# Altium PCB BLDC-sensorless-prototip-1.PcbDoc
Units mm, origin at the board's own origin, x right, y up, seen from the top; angles counter-clockwise.
Board outline 95 x 95 mm, 2 copper layers (Top Layer, Bottom Layer); 82 components, 33 nets, 204 pads, 272 vias.
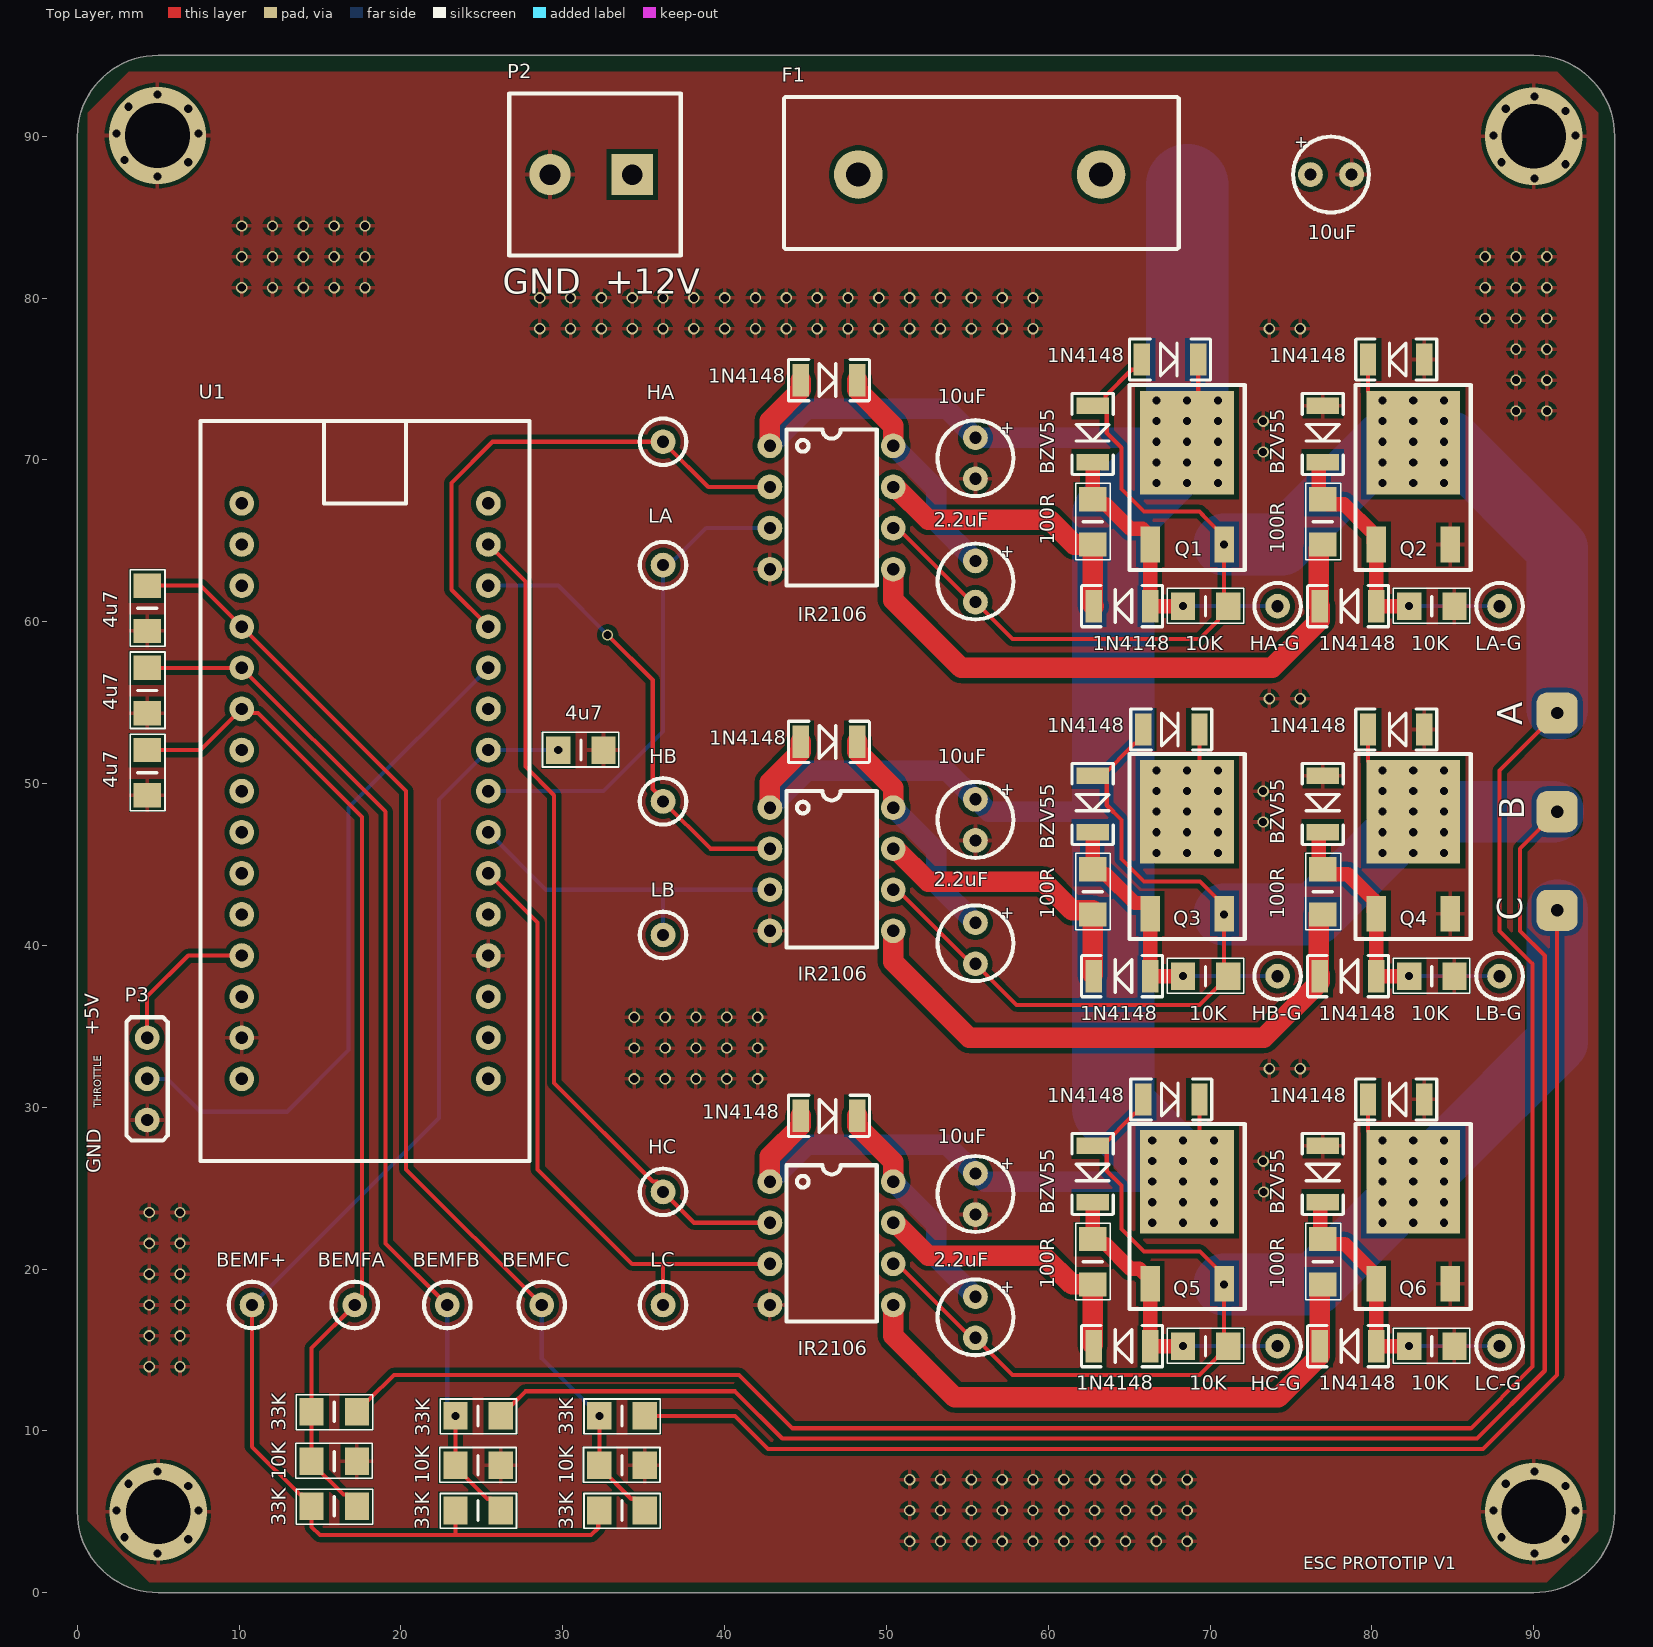
[diagram p0: Top Layer view]
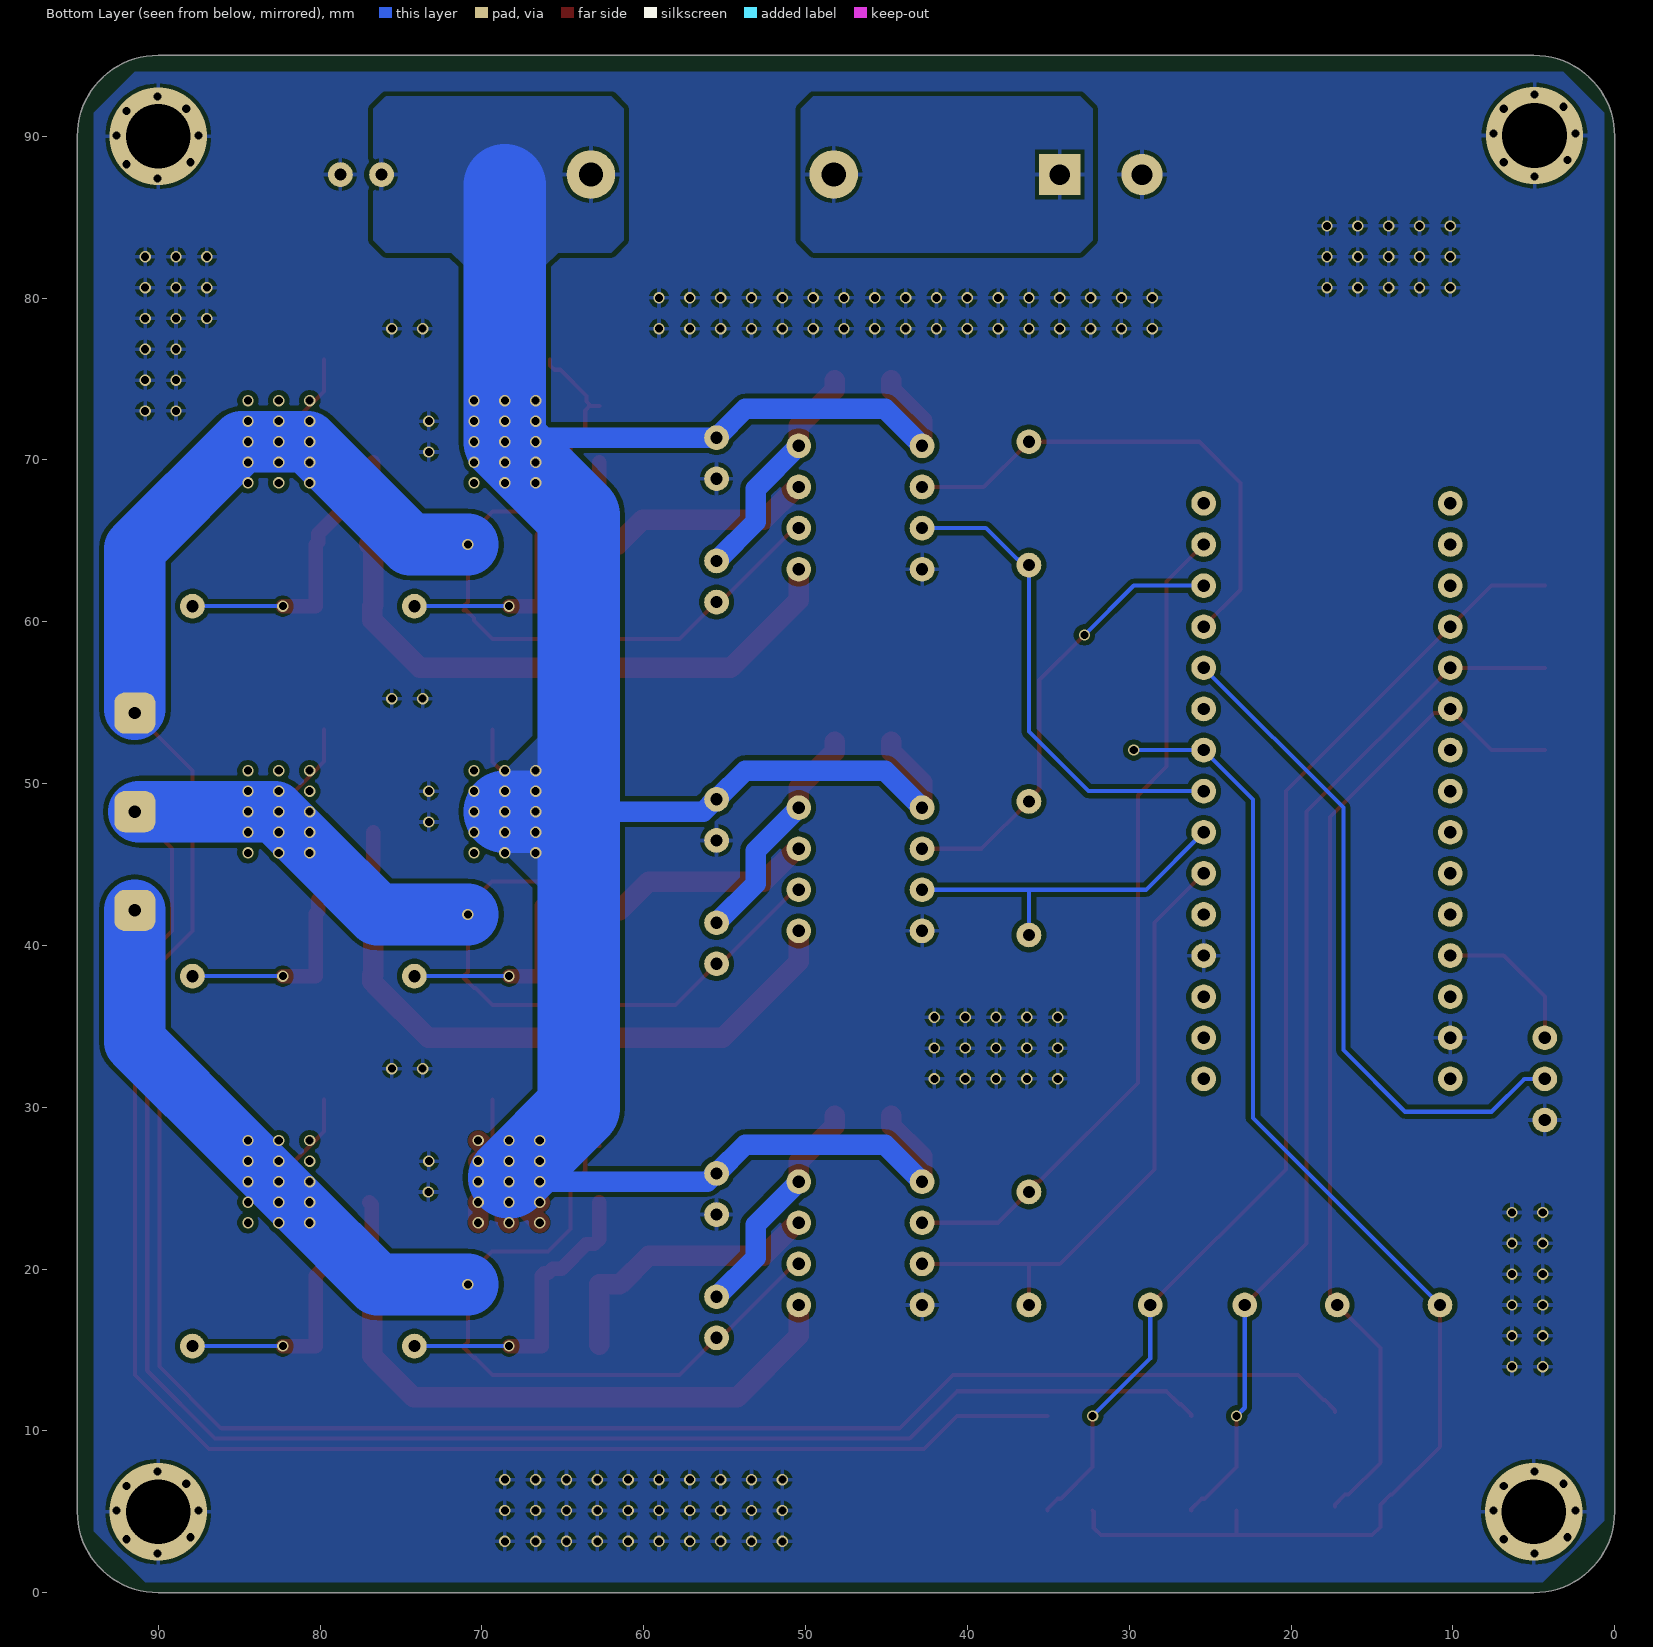
[diagram p1: Bottom Layer view, seen from below]
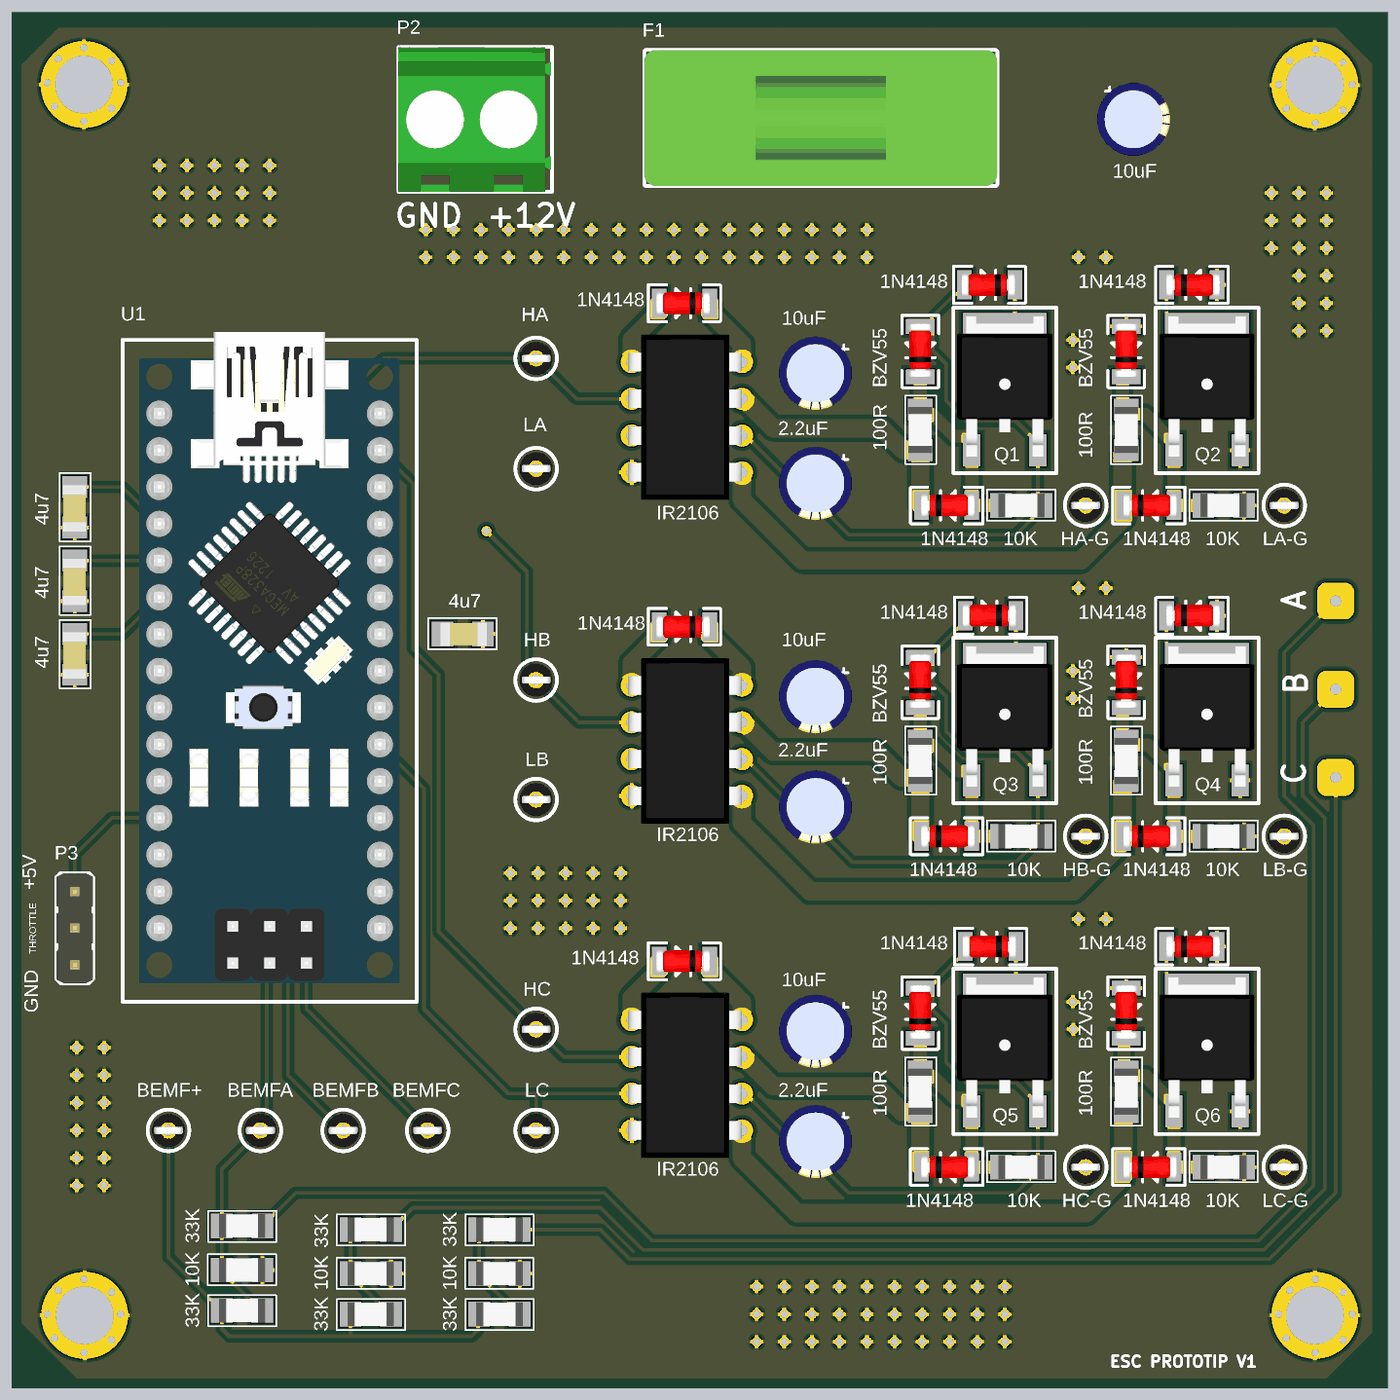
[diagram p2: 3D render of the assembled board from above, using the file's embedded part models]

## Layer stack, top to bottom
Top Solder: solder mask 0.0102, Solder Resist, Dk 3.5
Top Layer: signal copper 0.0356
Dielectric 1: dielectric 0.32, FR-4, Dk 4.8
Bottom Layer: signal copper 0.0356
Bottom Solder: solder mask 0.0102, Solder Resist, Dk 3.5

## Board outline
5,0 cw(c5,5) 0,5 0,90 cw(c5,90) 5,95 90,95 cw(c90,90) 95,90 95,5 cw(c90,5) 90,0

## Design rules (kind name [scope] priority, off if disabled: settings)
Clearance [All] p1: gap=0.3 ignorepadtopadclearanceinfootprint=TRUE
PolygonConnect [All] p1: connectstyle=Relief reliefconductorwidth=0.254 reliefentries=4 polygonreliefangle="90 Angle" airgapwidth=0.254
RoutingVias [All] p1: holewidth=0.711 width=1.27 viastyle="Through Hole" minholewidth=0.2 minwidth=0.4 maxholewidth=4 maxwidth=5
SolderMaskExpansion [All] p1: expansion=0.102 istentingtop=FALSE
Width [All] p1: maxlimit=5.08 minlimit=0.254 preferedwidth=1.27 minimp=50.000000 maximp=50.000000 favimp=50.000000
30 further rules are at their usual default settings.

## Classes and differential pairs
component class BLDC-sensorless-prototip-1: 1N4148 1n4148 2.2uF 2.2Uf 4u7 4U7 10K 10uF 33K 100R BEMF+ BEMFA BEMFB BEMFC BZV55 F1 HA ha HA-G HB HB-G HC HC-G IR2106 LA LA-G LB LB-G LC LC-G P2 P3 Q1 Q2 Q3 Q4 Q5 Q6 U1

## Components (designator, comment, footprint, x,y, rotation, side; value= is the part's Value field where it differs from the comment)
1N4148 "1N4148" "DO-213-minielf (SOD80)" 83.238,30.48 r90 top (schematic designator D15)
1N4148 "1N4148" "DO-213-minielf (SOD80)" 65.86,30.48 r270 top (schematic designator D13)
1N4148 "1N4148" "DO-213-minielf (SOD80)" 83.238,53.34 r90 top (schematic designator D10)
1N4148 "1N4148" "DO-213-minielf (SOD80)" 65.86,53.34 r270 top (schematic designator D8)
1N4148 "1N4148" "DO-213-minielf (SOD80)" 83.238,76.2 r90 top (schematic designator D5)
1N4148 "1N4148" "DO-213-minielf (SOD80)" 65.786,76.2 r270 top (schematic designator D3)
1N4148 "1N4148" "DO-213-minielf (SOD80)" 80.264,15.24 r90 top (schematic designator D14)
1N4148 "1N4148" "DO-213-minielf (SOD80)" 44.704,29.464 r270 top (schematic designator D12)
1N4148 "1N4148" "DO-213-minielf (SOD80)" 66.294,15.24 r90 top (schematic designator D11)
1N4148 "1N4148" "DO-213-minielf (SOD80)" 80.264,38.1 r90 top (schematic designator D9)
1N4148 "1N4148" "DO-213-minielf (SOD80)" 44.704,52.578 r270 top (schematic designator D7)
1N4148 "1N4148" "DO-213-minielf (SOD80)" 66.294,38.1 r90 top (schematic designator D6)
1N4148 "1N4148" "DO-213-minielf (SOD80)" 80.264,60.96 r90 top (schematic designator D4)
1N4148 "1N4148" "DO-213-minielf (SOD80)" 44.704,74.93 r270 top (schematic designator D2)
1N4148 "1N4148" "DO-213-minielf (SOD80)" 66.294,60.96 r90 top (schematic designator D1)
2.2uF "Cap" CAP-ELEC-2.54MM 55.499,18.288 r270 top value=10uF (schematic designator C15)
2.2uF "Cap" CAP-ELEC-2.54MM 55.499,41.402 r270 top value=10uF (schematic designator C13)
2.2uF "Cap" CAP-ELEC-2.54MM 55.499,63.754 r270 top value=10uF (schematic designator C11)
4u7 "Cap" CAP-1206 32.452,52.141 r180 top value=4.7uF (schematic designator C4)
4u7 "Cap" CAP-1206 4.389,49.336 r90 top value=4.7uF (schematic designator C3)
4u7 "Cap" CAP-1206 4.389,54.416 r90 top value=4.7uF (schematic designator C2)
4u7 "Cap" CAP-1206 4.389,59.496 r90 top value=4.7uF (schematic designator C1)
10K "Res2" RES-1206 86.046,15.565 r180 top value=10K (schematic designator R21)
10K "Res2" RES-1206 72.07,15.565 r180 top value=10K (schematic designator R19)
10K "Res2" RES-1206 86.046,38.425 r180 top value=10K (schematic designator R17)
10K "Res2" RES-1206 72.07,38.425 r180 top value=10K (schematic designator R15)
10K "Res2" RES-1206 86.046,61.285 r180 top value=10K (schematic designator R13)
10K "Res2" RES-1206 72.07,61.285 r180 top value=10K (schematic designator R11)
10K "Res2" RES-1206 36.008,8.199 r180 top value=10K (schematic designator R6)
10K "Res2" RES-1206 27.118,8.199 r180 top value=10K (schematic designator R5)
10K "Res2" RES-1206 18.228,8.453 r180 top value=10K (schematic designator R4)
10uF "Cap" CAP-ELEC-2.54MM 76.2,87.63 r0 top value=10uF (schematic designator C18)
10uF "Cap" CAP-ELEC-2.54MM 55.499,25.908 r270 top value=2.2uF (schematic designator C16)
10uF "Cap" CAP-ELEC-2.54MM 55.499,49.022 r270 top value=2.2uF (schematic designator C14)
10uF "Cap" CAP-ELEC-2.54MM 55.499,71.374 r270 top value=2.2uF (schematic designator C12)
33K "Res2" RES-1206 31.308,4.755 r0 top value=33K (schematic designator R9)
33K "Res2" RES-1206 22.418,4.755 r0 top value=33K (schematic designator R8)
33K "Res2" RES-1206 13.528,5.009 r0 top value=33K (schematic designator R7)
33K "Res2" RES-1206 31.308,10.597 r0 top value=33K (schematic designator R3)
33K "Res2" RES-1206 22.418,10.597 r0 top value=33K (schematic designator R2)
33K "Res2" RES-1206 13.528,10.851 r0 top value=33K (schematic designator R1)
100R "Res2" RES-1206 77.287,18.1 r90 top value=100R (schematic designator R20)
100R "Res2" RES-1206 63.063,18.1 r90 top value=100R (schematic designator R18)
100R "Res2" RES-1206 77.287,40.96 r90 top value=100R (schematic designator R16)
100R "Res2" RES-1206 63.063,40.96 r90 top value=100R (schematic designator R14)
100R "Res2" RES-1206 77.287,63.82 r90 top value=100R (schematic designator R12)
100R "Res2" RES-1206 63.063,63.82 r90 top value=100R (schematic designator R10)
BEMF+ "TEST POINT" "Test Point" 10.795,17.78 r90 top (schematic designator TP7)
BEMFA "TEST POINT" "Test Point" 17.145,17.78 r90 top (schematic designator TP14)
BEMFB "TEST POINT" "Test Point" 22.86,17.78 r90 top (schematic designator TP15)
BEMFC "TEST POINT" "Test Point" 28.702,17.78 r90 top (schematic designator TP16)
BZV55 "BZV55C15" "DO-213-minielf (SOD80)" 76.962,27.612 r180 top (schematic designator D21)
BZV55 "BZV55C15" "DO-213-minielf (SOD80)" 62.738,27.612 r180 top (schematic designator D20)
BZV55 "BZV55C15" "DO-213-minielf (SOD80)" 76.962,50.472 r180 top (schematic designator D19)
BZV55 "BZV55C15" "DO-213-minielf (SOD80)" 62.738,50.472 r180 top (schematic designator D18)
BZV55 "BZV55C15" "DO-213-minielf (SOD80)" 76.962,73.332 r180 top (schematic designator D17)
BZV55 "BZV55C15" "DO-213-minielf (SOD80)" 62.738,73.332 r180 top (schematic designator D16)
F1 "Fuse 1" "FUSE HOLDER" 48.26,87.63 r0 top
HA "TEST POINT" "Test Point" 36.195,71.12 r90 top (schematic designator TP8)
HA-G "TEST POINT" "Test Point" 74.168,60.96 r90 top (schematic designator TP1)
HB "TEST POINT" "Test Point" 36.195,48.895 r90 top (schematic designator TP9)
HB-G "TEST POINT" "Test Point" 74.168,38.1 r90 top (schematic designator TP3)
HC "TEST POINT" "Test Point" 36.195,24.765 r90 top (schematic designator TP10)
HC-G "TEST POINT" "Test Point" 74.168,15.24 r90 top (schematic designator TP5)
IR2106 "IR2106" DIP-8 42.799,17.78 r0 top (schematic designator U4)
IR2106 "IR2106" DIP-8 42.799,40.894 r0 top (schematic designator U3)
IR2106 "IR2106" DIP-8 42.799,63.246 r0 top (schematic designator U2)
LA "TEST POINT" "Test Point" 36.195,63.5 r90 top (schematic designator TP11)
LA-G "TEST POINT" "Test Point" 87.884,60.96 r90 top (schematic designator TP2)
LB "TEST POINT" "Test Point" 36.195,40.64 r90 top (schematic designator TP12)
LB-G "TEST POINT" "Test Point" 87.884,38.1 r90 top (schematic designator TP4)
LC "TEST POINT" "Test Point" 36.195,17.78 r90 top (schematic designator TP13)
LC-G "TEST POINT" "Test Point" 87.884,15.24 r90 top (schematic designator TP6)
P2 "Header 2" "5.08MM KLEMENS X2" 34.29,87.63 r180 top
P3 "Header 3" "2.54MM ERKEK HEADER X3" 4.318,29.21 r90 top
Q1 "N-MOS" TO-252-3 68.58,69.8 r0 top
Q2 "N-MOS" TO-252-3 82.55,69.8 r0 top
Q3 "N-MOS" TO-252-3 68.58,46.99 r0 top
Q4 "N-MOS" TO-252-3 82.55,46.99 r0 top
Q5 "N-MOS" TO-252-3 68.58,24.13 r0 top
Q6 "N-MOS" TO-252-3 82.55,24.13 r0 top
U1 "ARDUINO NANO" "ARDUINO NANO" 25.4,67.31 r180 top

## Footprints (in the part's own frame and the unit in brackets; to place one, negate y for a bottom-side part, rotate by r counter-clockwise, add the part's x,y. Pads: shape width x height; smd on the part's side, far side on the other; paste and mask are expansions set on the pad)
"2.54MM ERKEK HEADER X3" [mil]
  round 60 hole 30: 1(0,0) 2(100,0) 3(200,0)
  silkscreen extent -50,-50 250,50, body extent -50,-50 250,50, height 337
"5.08MM KLEMENS X2" [mm]
  rect 2.54x2.54 hole 1.27: 1(0,0)
  round 2.54 hole 1.27: 2(5.08,0)
  silkscreen extent -3,-5 7.6,5, body extent -2.94,-5 7.62,5, height 14
"ARDUINO NANO" [mil]
  round 60 hole 30: 1(0,1400) 2(0,1300) 3(0,1200) 4(0,1100) 5(0,1000) 6(0,900) 7(0,800) 8(0,700) 9(0,600) 10(0,500) 11(0,400) 12(0,300) 13(0,200) 14(0,100) 15(0,0) 16(600,0) 17(600,100) 18(600,200) 19(600,300) 20(600,400) 21(600,500) 22(600,600) 23(600,700) 24(600,800) 25(600,900) 26(600,1000) 27(600,1100) 28(600,1200) 29(600,1300) 30(600,1400)
  silkscreen extent -100,-200 700,1600, body extent -54,-221 654,1550, height 498
CAP-1206 [mm]
  rect 1.5x1.7 smd: 1(-0.066,0.071) 2(2.734,0.071)
  silkscreen extent -1.02,-1.03 3.71,1.12, body extent -0.33,-0.71 2.87,0.89, height 0.8
CAP-ELEC-2.54MM [mil]
  round 60 hole 30: 1(0,0) 2(100,0)
  silkscreen extent -42,-92 142,92, body extent -50,-100 150,100, height 536
DIP-8 [mil]
  round 60 hole 30: 1(0,300) 2(0,200) 3(0,100) 4(0,0) 5(300,0) 6(300,100) 7(300,200) 8(300,300)
  silkscreen extent 40,-40 260,340, body extent -10,-75 300,375, height 165
"DO-213-minielf (SOD80)" [mm]
  rect 2x1.016 smd: 1(0,0) 2(0,3.482)
  silkscreen extent -1.27,-0.76 1.27,4.24, body extent -0.8,-0.2 0.8,3.5, height 1.63
"FUSE HOLDER" [mm]
  round 3 hole 1.5: 1(0,0) 2(15,0)
  silkscreen extent -4.6,-4.6 19.8,4.8, body extent -4.6,-4.6 19.8,4.8, height 14
RES-1206 [mm]
  rect 1.5x1.7 smd: 1(0.95,0.325) 2(3.75,0.325)
  silkscreen extent 0,-0.78 4.72,1.38, body extent 0.75,-0.5 3.95,1.16, height 0.53
"Test Point" [mil]
  round 60 hole 30: 1(0,0)
  silkscreen extent -57,-57 57,57, body extent -45,-45 45,45, height 197
TO-252-3 [mm]
  rect 1.2x2.2 smd: 1(-2.286,-5.03) 3(2.286,-5.03)
  rect 5.8x6.4 smd: 2(0,1.27)
  silkscreen extent -3.56,-6.6 3.56,4.83, body extent -3.29,-5.47 3.29,4.23, height 2.3

## Part data
1N4148 1N4148 1N4148 1N4148 1N4148 1N4148: library part Diode, "Default Diode", Code_JEDEC=DO-214-AB, LatestRevisionDate=17-Jul-2002, LatestRevisionNote="Re-released for DXP Platform.", PackageDescription="DO-214-AB/SMC; 2 C-Bend Leads; Body 7.9 x 5.9 mm, inc. leads (LxW)", PackageReference=SMC, PackageVersion=Sep-1996, Published=8-Jun-2000, Publisher="Altium Limited"
1N4148 1N4148 1N4148 1N4148 1N4148 1N4148 1N4148 1N4148 1N4148: library part "Diode 1N4148", "High Conductance Fast Diode", Code_JEDEC=DO-204-AH, ComponentLink1Description="Manufacturer Link", ComponentLink1URL=http://www.fairchildsemi.com/, ComponentLink2Description=Datasheet, ComponentLink2URL=http://www.fairchildsemi.com/ds/1N%2F1N4148.pdf, DatasheetVersion=1997, LatestRevisionDate=17-Jul-2002, LatestRevisionNote="Re-released for DXP Platform.", PackageDescription="Diode, Axial; Body 3.8 x 1.9 mm (LxDia. max), Lead Dia. 0.53 mm (max)", PackageReference=DO-35, Published=8-Jun-2000, Publisher="Altium Limited"
2.2uF 2.2uF 2.2uF 10uF 10uF 10uF 10uF: library part "Cap Pol1", "Polarized Capacitor (Radial)", LatestRevisionDate=17-Jul-2002, LatestRevisionNote="Re-released for DXP Platform.", PackageDescription="Polarized Capacitor (Radial); 2 Leads", PackageReference=RB7.6-15, Published=8-Jun-2000, Publisher="Altium Limited"
4u7 4u7 4u7 4u7: "Capacitor", LatestRevisionDate=17-Jul-2002, LatestRevisionNote="Re-released for DXP Platform.", PackageDescription="Radial Cap, Thru-Hole; 2 Leads; 0.3 in Pin Spacing", PackageReference=RAD-0.3, Published=8-Jun-2000, Publisher="Altium Limited"
10K 10K 10K 10K 10K 10K 10K 10K 10K 33K 33K 33K 33K 33K 33K 100R 100R 100R 100R 100R 100R: "Resistor", LatestRevisionDate=17-Jul-2002, LatestRevisionNote="Re-released for DXP Platform.", PackageDescription="Axial Device, Thru-Hole; 2 Leads; 0.4 in Pin Spacing", PackageReference=AXIAL-0.4, Published=8-Jun-2000, Publisher="Altium Limited"
BZV55 BZV55 BZV55 BZV55 BZV55 BZV55: library part "D Zener", "Zener Diode", LatestRevisionDate=17-Jul-2002, LatestRevisionNote="Re-released for DXP Platform.", PackageDescription="Diode, Thru-Hole; 2 Leads; 0.7 in Pin Spacing", PackageReference=DIODE-0.7, Published=8-Jun-2000, Publisher="Altium Limited"
F1: "Fuse", LatestRevisionDate=17-Jul-2002, LatestRevisionNote="Re-released for DXP Platform.", PackageDescription="Thru-Hole; 2 Leads", PackageReference=PIN-W2/E2.8, Published=8-Jun-2000, Publisher="Altium Limited"
P2: "Header, 2-Pin", LatestRevisionDate=17-Jul-2002, LatestRevisionNote="Re-released for DXP Platform.", Publisher="Altium Limited"
P3: "Header, 3-Pin", LatestRevisionDate=17-Jul-2002, LatestRevisionNote="Re-released for DXP Platform.", Publisher="Altium Limited"
Q1 Q2 Q3 Q4 Q5 Q6: library part MOSFET-N, "N-Channel MOSFET", LatestRevisionDate=17-Jul-2002, LatestRevisionNote="Re-released for DXP Platform.", PackageDescription="TO, Flat Index; 3 In-Line, Axial Leads; Body Dia. 4.6mm; Lead Dia. 0.5 mm (max)", PackageReference=E3, PackageVersion=1995/1996, Published=8-Jun-2000, Publisher="Altium Limited"

## Free pads (board coordinates)
  rrect50% 2.54x2.54 hole 0.762: 2(91.44,54.356) 3(91.44,48.26) 4(91.44,42.164)

## Via types
v1: diameter 0.7, hole 0.5, Top Layer to Bottom Layer, 268 vias
v2: diameter 6, hole 4, Top Layer to Bottom Layer, 4 vias

## Nets (pads, with @x,y where several pads share a name; then routed paths per layer and width w, separated by ;. In a path a pad name is that pad's centre, name@x,y a point inside that pad or via, vN(x,y) a via of type N, cw(c..) or ccw(c..) an arc to the next point about the centre after c; other vN are vias at no path point)
+5: P3.3 U1.27 | length 9.4
  Top Layer w0.254: P3.3 4.318,36.83 6.858,39.37 U1.27
+12: 1N4148.1@44.704,29.464 1N4148.1@44.704,52.578 1N4148.1@44.704,74.93 1N4148.2@69.268,76.2 1N4148.2@69.342,30.48 1N4148.2@69.342,53.34 10uF.1 F1.2 IR2106.1 Q1.2 Q3.2 Q5.2 | length 199.6
  Top Layer w0.254: v1(68.326,25.4) 69.088,26.162 Q5.2@69.342,26.162 ; v1(68.58,48.26) 68.58,50.698 68.707,50.698 69.342,51.333 1N4148.2@69.342,53.34 ; Q1.2@68.605,71.095 69.268,71.758 1N4148.2@69.268,76.2 ; Q5.2@69.342,26.67 69.342,27.051 1N4148.2@69.342,30.48
  Top Layer w1.27: IR2106.1@42.799,25.4 42.799,26.959 44.704,28.864 1N4148.1@44.704,29.464 ; IR2106.1@42.799,48.514 42.799,50.073 44.704,51.978 1N4148.1@44.704,52.578 ; IR2106.1@42.799,70.866 42.799,72.425 44.704,74.33 1N4148.1@44.704,74.93 ; v1(66.421,22.86) Q5.2@67.501,23.939 ; v1(66.421,24.13) 67.31,24.13 68.326,25.146 v1(68.326,25.4) ; v1(66.421,25.4) 67.691,25.4 v1(66.421,26.67) ; v1(66.421,27.94) 66.421,27.559 Q5.2@66.865,27.114 ; v1(68.326,22.86) 68.58,23.114 Q5.2@68.58,24.384 ; v1(68.326,24.13) Q5.2@68.58,24.384 ; v1(68.326,27.94) v1(68.326,26.67) v1(68.326,25.4) ; Q5.2@68.897,26.607 69.342,27.051 v1(70.231,27.94) ; Q5.2@69.342,26.162 69.85,26.67 v1(70.231,26.67) ; v1(70.231,22.86) Q5.2@70.231,23.749 ; v1(70.231,24.13) 69.596,24.13 68.58,25.146 Q5.2@68.58,24.384 ; v1(70.231,25.4) Q5.2 v1(68.326,25.4)
  Bottom Layer w1.27: IR2106.1@42.799,25.4 45.085,27.686 53.721,27.686 55.499,25.908 55.568,25.908 56.076,25.4 v1(66.421,25.4) v1(68.326,25.4) ; IR2106.1@42.799,48.514 45.085,50.8 53.721,50.8 55.499,49.022 55.568,49.022 56.33,48.26 64.008,48.26 ; IR2106.1@42.799,70.866 45.085,73.152 53.721,73.152 55.499,71.374 68.326,71.374 v1(68.58,71.12)
  Bottom Layer w5.08: v1@68.326,25.654 64.008,29.972 64.008,48.26 ; v1(68.58,48.26) 64.008,48.26 ; 68.58,86.97 v1(68.58,73.66) v1(68.58,72.39) v1(68.58,71.12) 64.008,66.548 64.008,48.26
  other v1: 66.675,45.72 68.58,45.72 70.485,45.72 66.675,46.99 68.58,46.99 70.485,46.99 66.675,48.26 70.485,48.26 66.675,49.53 68.58,49.53 70.485,49.53 66.675,50.8 68.58,50.8 70.485,50.8 66.675,68.58 68.58,68.58 70.485,68.58 66.675,69.85 68.58,69.85 70.485,69.85 66.675,71.12 70.485,71.12 66.675,72.39 70.485,72.39 66.675,73.66 70.485,73.66
FAZ-A: 1N4148.1@65.786,76.2 1N4148.2@79.756,76.2 2.2uF.2@55.499,61.214 10K.1@71.12,60.96 33K.2@17.278,11.176 BZV55.1@62.738,73.332 IR2106.6@50.419,65.786 pad.2 Q1.3 Q2.2 | length 208.2
  Top Layer w0.254: 33K.2@17.278,11.176 17.278,11.276 17.901,11.899 18.001,11.899 19.564,13.462 40.894,13.462 44.196,10.16 86.106,10.16 89.916,13.97 89.916,38.862 87.884,40.894 87.884,50.8 pad.2 ; IR2106.6@50.419,65.786 50.673,65.786 55.245,61.214 55.499,61.214 57.785,58.928 69.342,58.928 70.497,60.083 70.497,60.237 70.966,60.706 10K.1@71.12,60.706 ; BZV55.1@62.738,73.332 BZV55.1@63.271,73.332 ; 1N4148.1@65.786,76.2 65.786,75.841 65.513,75.568 65.154,75.568 63.544,73.958 63.544,73.605 BZV55.1@63.271,73.332 ; 10K.1@71.12,60.96 70.866,61.214 v1(70.866,64.77) 70.866,65.27 69.596,66.54 69.596,66.548 69.342,66.802 65.913,66.802 64.516,68.199 64.516,70.748 63.611,71.653 63.611,73.059 63.338,73.332 BZV55.1@63.271,73.332 ; 1N4148.2@79.756,76.2 79.756,74.214 81.539,72.431 81.539,72.181 82.6,71.12 Q2.2
  Bottom Layer w3.81: v1(70.866,64.77) 74.422,64.77 79.438,69.787 80.772,71.12 84.836,71.12 91.44,64.516 pad.2@91.44,54.61
  other v1: 80.645,68.58 82.55,68.58 84.455,68.58 80.645,69.85 82.55,69.85 84.455,69.85 80.645,71.12 82.55,71.12 84.455,71.12 80.645,72.39 82.55,72.39 84.455,72.39 80.645,73.66 82.55,73.66 84.455,73.66
FAZ-B: 1N4148.1@65.86,53.34 1N4148.2@79.756,53.34 2.2uF.2@55.499,38.862 10K.1@71.12,38.1 33K.2@26.168,10.922 BZV55.1@62.738,50.472 IR2106.6@50.419,43.434 pad.3 Q3.3 Q4.2 | length 180.2
  Top Layer w0.254: 33K.2@26.168,10.922 26.168,11.022 26.791,11.645 26.891,11.645 27.692,12.446 40.64,12.446 43.561,9.525 86.487,9.525 90.678,13.716 90.678,39.37 89.154,40.894 89.154,45.974 pad.3 ; IR2106.6@50.419,43.434 50.673,43.434 55.245,38.862 55.499,38.862 58.039,36.322 69.342,36.322 70.397,37.377 70.497,37.377 71.12,38 71.12,38.1 70.866,38.354 Q3.3 70.866,42.46 69.384,43.942 65.913,43.942 64.516,45.339 64.516,47.752 63.611,48.657 63.611,50.199 BZV55.1@63.338,50.472 ; BZV55.1@62.738,50.472 BZV55.1@63.338,50.472 ; 1N4148.1@65.86,53.34 65.86,52.74 65.587,52.467 65.333,52.467 BZV55.1@63.338,50.472 ; 1N4148.2@79.756,53.34 79.756,51.354 80.477,50.632 82.55,48.56 v1(82.55,48.26)
  Bottom Layer w3.81: v1(70.866,41.91) 76.454,41.91 80.454,45.911 81.724,47.181 82.804,48.26 v1(84.455,48.26) pad.3@91.186,48.26
  other v1: 80.645,45.72 82.55,45.72 84.455,45.72 80.645,46.99 82.55,46.99 84.455,46.99 80.645,48.26 80.645,49.53 82.55,49.53 84.455,49.53 80.645,50.8 82.55,50.8 84.455,50.8
FAZ-C: 1N4148.1@65.86,30.48 1N4148.2@79.756,30.48 2.2uF.2@55.499,15.748 10K.1@71.12,15.24 33K.2@35.058,10.922 BZV55.1@62.738,27.612 IR2106.6@50.419,20.32 pad.4 Q5.3 Q6.2 | length 175.6
  Top Layer w0.254: 33K.2@35.058,10.922 40.64,10.922 42.672,8.89 86.868,8.89 91.44,13.462 pad.4 ; IR2106.6@50.419,20.32 50.673,20.32 55.245,15.748 55.499,15.748 57.785,13.462 69.342,13.462 70.397,14.517 70.497,14.517 71.12,15.14 71.12,15.24 70.866,15.494 v1(70.866,19.05) Q5.3 70.866,19.6 69.384,21.082 65.913,21.082 64.516,22.479 64.516,25.155 63.611,26.06 63.611,27.339 BZV55.1@63.338,27.612 ; BZV55.1@62.738,27.612 BZV55.1@63.338,27.612 ; 1N4148.1@65.86,30.48 65.86,29.88 65.587,29.607 65.333,29.607 BZV55.1@63.338,27.612 ; 1N4148.2@79.756,30.48 79.756,28.494 80.477,27.772 82.55,25.7 v1(82.55,25.4)
  Bottom Layer w3.81: v1(70.866,19.05) 76.454,19.05 81.407,24.003 82.804,25.4 84.9,27.495 91.44,34.036 pad.4
  other v1: 80.645,22.86 82.55,22.86 84.455,22.86 80.645,24.13 82.55,24.13 84.455,24.13 80.645,25.4 84.455,25.4 80.645,26.67 82.55,26.67 84.455,26.67 80.645,27.94 82.55,27.94 84.455,27.94
GND: 1N4148.1@83.238,30.48 1N4148.1@83.238,53.34 1N4148.1@83.238,76.2 4u7.1 10K.1@17.278,8.128 10K.1@26.168,7.874 10K.1@35.058,7.874 10K.1@85.096,15.24 10K.1@85.096,38.1 10K.1@85.096,60.96 10uF.2 BZV55.1@76.962,27.612 BZV55.1@76.962,50.472 BZV55.1@76.962,73.332 IR2106.4 P2.2 P3.1 Q2.3 Q4.3 Q6.3 U1.4 U1.29
  other v1: 4.953,2.413 90.043,2.413 51.435,3.175 53.34,3.175 55.245,3.175 57.15,3.175 59.055,3.175 60.96,3.175 62.865,3.175 64.77,3.175 66.675,3.175 68.58,3.175 6.858,3.302 91.948,3.302 2.921,3.429 88.011,3.429 2.413,5.08 7.493,5.08 51.435,5.08 53.34,5.08 55.245,5.08 57.15,5.08 59.055,5.08 60.96,5.08 62.865,5.08 64.77,5.08 66.675,5.08 68.58,5.08 87.503,5.08 92.583,5.08 6.858,6.604 91.948,6.604 3.175,6.731 88.265,6.731 51.435,6.985 53.34,6.985 55.245,6.985 57.15,6.985 59.055,6.985 60.96,6.985 62.865,6.985 64.77,6.985 66.675,6.985 68.58,6.985 4.953,7.493 90.043,7.493 4.445,13.97 6.35,13.97 4.445,15.875 6.35,15.875 4.445,17.78 6.35,17.78 4.445,19.685 6.35,19.685 4.445,21.59 6.35,21.59 4.445,23.495 6.35,23.495 73.309,24.759 73.279,26.67 34.417,31.75 36.322,31.75 38.227,31.75 40.132,31.75 42.037,31.75 73.66,32.385 75.565,32.385 34.417,33.655 36.322,33.655 38.227,33.655 40.132,33.655 42.037,33.655 34.417,35.56 36.322,35.56 38.227,35.56 40.132,35.56 42.037,35.56 73.279,47.625 73.279,49.53 73.66,55.245 75.565,55.245 73.279,70.485 73.279,72.39 88.9,73.025 90.805,73.025 88.9,74.93 90.805,74.93 88.9,76.835 90.805,76.835 28.575,78.105 30.48,78.105 32.385,78.105 34.29,78.105 36.195,78.105 38.1,78.105 40.005,78.105 41.91,78.105 43.815,78.105 45.72,78.105 47.625,78.105 49.53,78.105 51.435,78.105 53.34,78.105 55.245,78.105 57.15,78.105 59.055,78.105 73.66,78.105 75.565,78.105 86.995,78.74 88.9,78.74 90.805,78.74 28.575,80.01 30.48,80.01 32.385,80.01 34.29,80.01 36.195,80.01 38.1,80.01 40.005,80.01 41.91,80.01 43.815,80.01 45.72,80.01 47.625,80.01 49.53,80.01 51.435,80.01 53.34,80.01 55.245,80.01 57.15,80.01 59.055,80.01 10.16,80.645 12.065,80.645 13.97,80.645 15.875,80.645 17.78,80.645 86.995,80.645 88.9,80.645 90.805,80.645 10.16,82.55 12.065,82.55 13.97,82.55 15.875,82.55 17.78,82.55 86.995,82.55 88.9,82.55 90.805,82.55 10.16,84.455 12.065,84.455 13.97,84.455 15.875,84.455 17.78,84.455 90.043,87.376 4.953,87.503 91.948,88.265 6.858,88.392 88.011,88.392 2.921,88.519 87.503,90.043 92.583,90.043 2.413,90.17 7.493,90.17 91.948,91.567 6.858,91.694 88.265,91.694 3.175,91.821 90.043,92.456 4.953,92.583
  other v2: 5,5 90,5 90,90 4.953,90.043
NetC1_2: 4u7.2@4.318,62.23 10K.2@32.258,7.874 33K.1@32.258,10.922 33K.2@35.058,5.08 BEMFC.1 U1.19 | length 71.9
  Top Layer w0.254: 4u7.2@4.318,62.23 7.62,62.23 U1.19 20.32,49.53 20.32,26.162 BEMFC.1 ; v1(32.258,10.922) 32.258,7.874 32.258,7.774 34.229,5.803 34.435,5.803 35.058,5.18 33K.2@35.058,5.08
  Bottom Layer w0.254: BEMFC.1 28.702,14.478 v1(32.258,10.922)
NetC2_2: 4u7.2@4.318,57.15 10K.2@23.368,7.874 33K.1@23.368,10.922 33K.2@26.168,5.08 BEMFB.1 U1.20 | length 64.7
  Top Layer w0.254: 4u7.2@4.318,57.15 U1.20 19.05,48.26 19.05,21.59 BEMFB.1 ; v1(23.368,10.922) 23.368,7.874 23.368,7.774 25.339,5.803 25.545,5.803 26.168,5.18 33K.2@26.168,5.08
  Bottom Layer w0.254: BEMFB.1 22.86,11.43 v1(23.368,10.922)
NetC3_2: 4u7.2@4.318,52.07 10K.2@14.478,8.128 33K.1@14.478,11.176 33K.2@17.278,5.334 BEMFA.1 U1.21 | length 62.5
  Top Layer w0.254: 4u7.2@4.318,52.07 7.62,52.07 U1.21 10.403,54.367 11.165,54.367 17.59,47.942 BEMFA.1@17.59,17.335 ; BEMFA.1 14.478,15.113 14.478,11.176 14.478,8.128 14.478,8.028 16.449,6.057 16.655,6.057 17.278,5.434 33K.2@17.278,5.334
NetC4_2: 4u7.2@29.718,52.07 33K.1@14.478,5.334 33K.1@23.368,5.08 33K.1@32.258,5.08 BEMF+.1 U1.9 | length 80.7
  Top Layer w0.254: BEMF+.1 10.795,9.017 13.755,6.057 13.855,6.057 14.478,5.434 14.478,5.334 14.478,4.064 14.986,3.556 23.315,3.556 ; 33K.1@23.368,5.08 23.368,3.609 23.315,3.556 ; 33K.1@32.258,5.08 32.192,5.014 32.192,3.998 31.75,3.556 23.315,3.556
  Bottom Layer w0.254: BEMF+.1 22.352,29.337 22.352,49.022 U1.9 v1(29.718,52.07)
NetC11_1: 1N4148.2@48.186,74.93 2.2uF.1@55.499,63.754 IR2106.8@50.419,70.866 | length 14.2
  Top Layer w1.27: 1N4148.2@48.186,74.93 48.186,74.33 50.419,72.097 IR2106.8@50.419,70.866
  Bottom Layer w1.27: IR2106.8@50.419,70.866 53.086,68.199 53.086,66.167 2.2uF.1@55.499,63.754
NetC13_1: 1N4148.2@48.186,52.578 2.2uF.1@55.499,41.402 IR2106.8@50.419,48.514 | length 14.2
  Top Layer w1.27: 1N4148.2@48.186,52.578 48.186,51.978 50.419,49.745 IR2106.8@50.419,48.514
  Bottom Layer w1.27: IR2106.8@50.419,48.514 53.086,45.847 53.086,43.815 2.2uF.1@55.499,41.402
NetC15_1: 1N4148.2@48.186,29.464 2.2uF.1@55.499,18.288 IR2106.8@50.419,25.4 | length 14.2
  Top Layer w1.27: 1N4148.2@48.186,29.464 48.186,28.864 50.419,26.631 IR2106.8@50.419,25.4
  Bottom Layer w1.27: IR2106.8@50.419,25.4 53.086,22.733 53.086,20.701 2.2uF.1@55.499,18.288
NetD1_1: 1N4148.1@66.294,60.96 10K.2@68.32,60.96 100R.2@62.738,67.57 BZV55.2@62.738,69.85 HA-G.1 Q1.1 | length 19
  Top Layer w0.889: BZV55.2@62.738,69.85 62.738,67.57 63.044,67.264 63.546,67.264 65.067,65.743 65.821,65.743 66.294,65.27 66.294,60.96 68.32,60.96 v1(68.326,60.96)
  Bottom Layer w0.254: v1(68.326,60.96) HA-G.1
NetD1_2: 1N4148.2@62.812,60.96 100R.1@62.738,64.77 IR2106.7@50.419,68.326 | length 17.6
  Top Layer w1.27: IR2106.7@50.419,68.326 50.546,68.326 52.578,66.294 60.071,66.294 61.595,64.77 62.738,64.77 62.738,64.516 62.738,61.034 1N4148.2@62.812,60.96
NetD4_1: 1N4148.1@80.264,60.96 10K.2@82.296,60.96 100R.2@76.962,67.57 BZV55.2@76.962,69.85 LA-G.1 Q2.1 | length 18.7
  Top Layer w0.889: BZV55.2@76.708,69.85 76.708,67.57 100R.2@76.808,67.57 ; 100R.2@77.062,67.57 76.962,67.57 77.268,67.264 78.27,67.264 80.108,65.426 80.108,64.926 Q2.1 80.264,60.96 v1(82.296,60.96)
  Bottom Layer w0.254: v1(82.296,60.96) LA-G.1
NetD4_2: 1N4148.2@76.782,60.96 100R.1@76.962,64.77 IR2106.5@50.419,63.246 | length 35.9
  Top Layer w1.27: IR2106.5@50.419,63.246 50.419,61.341 54.61,57.15 73.826,57.15 76.509,59.833 76.782,60.106 1N4148.2@76.782,60.96 ; 1N4148.2@76.708,61.034 76.708,64.516 100R.1@76.962,64.77
NetD6_1: 1N4148.1@66.294,38.1 10K.2@68.32,38.1 100R.2@62.738,44.71 BZV55.2@62.738,46.99 HB-G.1 Q3.1 | length 19
  Top Layer w0.889: BZV55.2@62.738,46.99 62.738,44.71 63.044,44.404 63.546,44.404 65.335,42.616 66.138,42.616 66.294,42.46 66.294,38.1 68.32,38.1 v1(68.326,38.1)
  Bottom Layer w0.254: v1(68.326,38.1) HB-G.1
NetD6_2: 1N4148.2@62.812,38.1 100R.1@62.738,41.91 IR2106.7@50.419,45.974 | length 17.9
  Top Layer w1.27: IR2106.7@50.419,45.974 50.546,45.974 52.578,43.942 59.69,43.942 61.468,42.164 62.738,42.164 1N4148.2@62.738,38.174
NetD9_1: 1N4148.1@80.264,38.1 10K.2@82.296,38.1 100R.2@76.962,44.71 BZV55.2@76.962,46.99 LB-G.1 Q4.1 | length 18.7
  Top Layer w0.889: BZV55.2@76.708,46.99 76.708,44.71 100R.2@76.808,44.71 ; 100R.2@76.962,44.71 77.062,44.71 77.368,44.404 78.512,44.404 80.108,42.808 80.108,42.116 Q4.1 80.264,38.1 v1(82.296,38.1)
  Bottom Layer w0.254: v1(82.296,38.1) LB-G.1
NetD9_2: 1N4148.2@76.782,38.1 100R.1@76.962,41.91 IR2106.5@50.419,40.894 | length 35.9
  Top Layer w1.27: IR2106.5@50.419,40.894 50.419,38.989 55.118,34.29 73.318,34.29 76.509,37.481 76.782,37.754 1N4148.2@76.782,38.174 ; 100R.1@76.708,41.91 76.708,38.174 1N4148.2@76.782,38.1
NetD11_1: 1N4148.1@66.294,15.24 10K.2@68.32,15.24 100R.2@62.738,21.85 BZV55.2@62.738,24.13 HC-G.1 Q5.1 | length 19
  Top Layer w0.889: BZV55.2@62.738,24.13 62.738,21.85 63.044,21.544 63.546,21.544 65.067,20.023 65.618,20.023 65.885,19.756 66.138,19.756 66.294,19.6 66.294,15.24 68.32,15.24 v1(68.326,15.24)
  Bottom Layer w0.254: v1(68.326,15.24) HC-G.1
NetD11_2: 1N4148.2@62.812,15.24 100R.1@62.738,19.05 IR2106.7@50.419,22.86 | length 17.6
  Top Layer w1.27: IR2106.7@50.419,22.86 50.546,22.86 52.578,20.828 59.69,20.828 61.468,19.05 62.738,19.05 1N4148.2@62.738,15.314
NetD14_1: 1N4148.1@80.264,15.24 10K.2@82.296,15.24 100R.2@76.962,21.85 BZV55.2@76.962,24.13 LC-G.1 Q6.1 | length 18.7
  Top Layer w0.889: 100R.2@76.808,21.85 76.808,23.976 BZV55.2@76.962,24.13 ; 100R.2@77.062,21.85 76.962,21.85 77.268,21.544 78.32,21.544 78.393,21.471 80.264,19.6 80.264,15.24 v1(82.296,15.24)
  Bottom Layer w0.254: v1(82.296,15.24) LC-G.1
NetD14_2: 1N4148.2@76.782,15.24 100R.1@76.962,19.05 IR2106.5@50.419,17.78 | length 35.4
  Top Layer w1.27: IR2106.5@50.419,17.78 50.419,15.875 54.229,12.065 74.207,12.065 76.509,14.367 76.782,14.64 76.782,18.87 100R.1@76.962,19.05
NetP3_2: P3.2 U1.11 | length 42.1
  Bottom Layer w0.254: P3.2 5.588,31.75 7.62,29.718 12.954,29.718 16.764,33.528 16.764,48.514 U1.11
NetTP8_1: HA.1 IR2106.2@42.799,68.326 U1.12 | length 31.7
  Top Layer w0.254: U1.12 23.114,61.976 23.114,68.58 25.654,71.12 HA.1 36.386,70.929 38.989,68.326 IR2106.2@42.799,68.326
NetTP9_1: HB.1 IR2106.2@42.799,45.974 U1.13 | length 28.1
  Top Layer w0.254: v1(32.766,59.182) 35.56,56.388 35.56,49.666 36.195,49.031 HB.1 39.116,45.974 IR2106.2@42.799,45.974
  Bottom Layer w0.254: U1.13 29.718,62.23 v1(32.766,59.182)
NetTP10_1: HC.1 IR2106.2@42.799,22.86 U1.14 | length 52
  Top Layer w0.254: U1.14 27.686,62.484 27.686,51.054 29.464,49.276 29.464,31.496 35.56,25.4 35.814,25.4 35.814,25.146 38.1,22.86 IR2106.2@42.799,22.86
NetTP11_1: IR2106.3@42.799,65.786 LA.1 U1.8 | length 30
  Bottom Layer w0.254: U1.8 32.512,49.53 36.195,53.213 36.195,63.119 36.322,63.246 36.322,63.283 36.902,63.864 36.94,63.864 38.862,65.786 IR2106.3@42.799,65.786
NetTP12_1: IR2106.3@42.799,43.434 LB.1 U1.7 | length 21.7
  Bottom Layer w0.254: U1.7 28.956,43.434 36.195,43.434 ; LB.1 36.195,43.434 ; IR2106.3@42.799,43.434 36.195,43.434
NetTP13_1: IR2106.3@42.799,20.32 LC.1 U1.6 | length 38.9
  Top Layer w0.254: U1.6 28.448,41.402 28.448,26.162 34.29,20.32 36.195,20.32 ; LC.1 36.195,20.32 ; IR2106.3@42.799,20.32 36.195,20.32
VCC: F1.1 P2.1
pads on no net: U1.1 U1.2 U1.3 U1.5 U1.10 U1.15 U1.16 U1.17 U1.18 U1.22 U1.23 U1.24 U1.25 U1.26 U1.28 U1.30

## Polygon pours and split planes (outlines as drawn)
GND on Bottom Layer "NONET_L-01_P-001" (solid, pour order 4): 0.635,91.44 3.175,93.98 91.44,93.98 93.98,91.44 93.98,3.81 90.805,0.635 4.445,0.635 0.635,4.445
+12 on Bottom Layer "NONET_L-01_P-001" (solid, pour order 3): 65.532,53.848 68.58,50.8 68.58,45.72 65.532,42.672
+12 on Bottom Layer "NONET_L-01_P-001" (solid, pour order 2): 65.024,83.058 66.04,82.042 71.12,82.042 72.136,83.058
+12 on Bottom Layer "NONET_L-01_P-001" (solid, pour order 1): 61.228,91.694 61.99,92.456 75.946,92.456 76.708,91.694 76.708,83.566 75.946,82.804 61.99,82.804 61.228,83.566
VCC on Bottom Layer "NONET_L-01_P-001" (solid, pour order 0): 32.258,91.694 33.02,92.456 49.53,92.456 50.292,91.694 50.292,83.566 49.53,82.804 33.02,82.804 32.258,83.566
GND on Top Layer "NONET_L-01_P-001" (solid, pour order 5): 0.635,91.44 3.175,93.98 91.44,93.98 93.98,91.44 93.98,3.81 90.805,0.635 4.445,0.635 0.635,4.445

## Silkscreen, mask and mechanical layers (free items; w line width, h text height)
Top Overlay:
  text "GND" at 26.289,80.264 h1.52
  text "+12V" at 32.639,80.264 h1.52
  text "A" at 89.281,53.594 h1.52 r90
  text "B" at 89.396,47.756 h1.52 r90
  text "C" at 89.281,41.529 h1.52 r90
  text "+5V" at 1.634,34.417 h1.52 r90
  text "THROTTLE" at 1.643,29.972 h0.76 r90
  text "GND" at 1.761,25.908 h1.52 r90
  text "ESC PROTOTIP V1" at 75.743,1.448 h0.76
Mechanical 1:
  the board outline again, w0.254

## Text inside footprints (layer, text, board x,y; h text height)
2.2uF: Top Overlay "+" at 57.15,19.304 h0.76 r270
2.2uF: Top Overlay "+" at 57.15,42.418 h0.76 r270
2.2uF: Top Overlay "+" at 57.15,64.77 h0.76 r270
10uF: Top Overlay "+" at 57.15,26.924 h0.76 r270
10uF: Top Overlay "+" at 57.15,50.038 h0.76 r270
10uF: Top Overlay "+" at 57.15,72.39 h0.76 r270
10uF: Top Overlay "+" at 75.184,89.281 h0.76